# Altium PCB PCB4.PcbDoc
Units mil, origin at the board's own origin, x right, y up, seen from the top; angles counter-clockwise.
Board outline 1992.91 x 1024.13 mil, 2 copper layers (Top Layer, Bottom Layer); 51 components, 34 nets, 201 pads, 44 vias.
Unrouted connection lines stored in the file: 4.
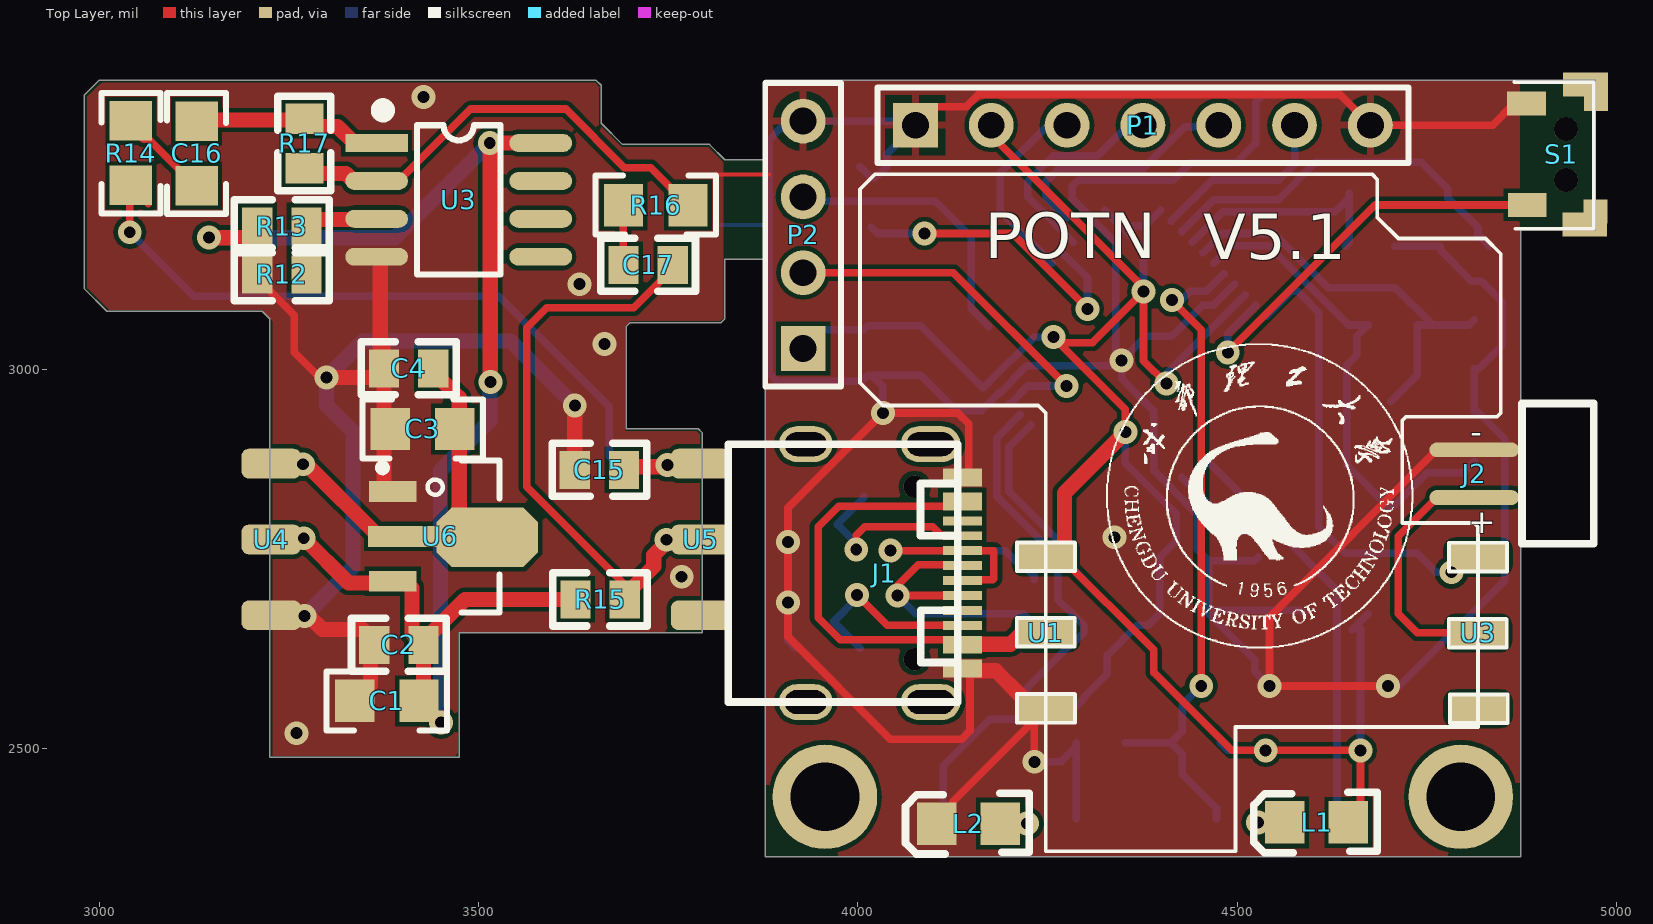
[diagram p0: Top Layer view]
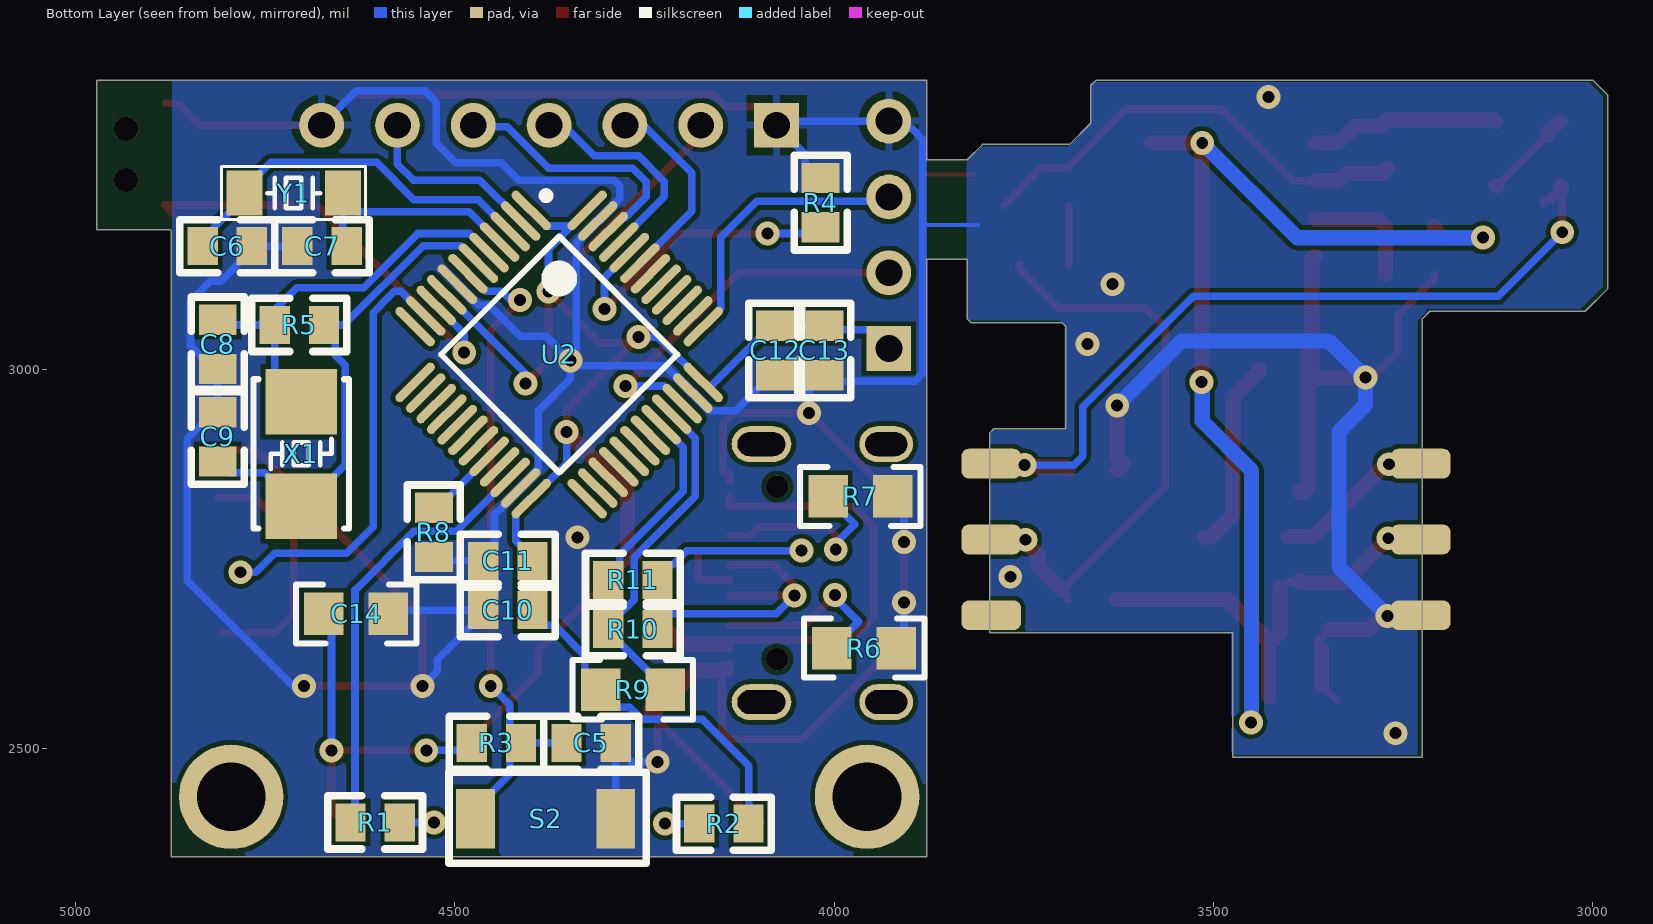
[diagram p1: Bottom Layer view, seen from below]
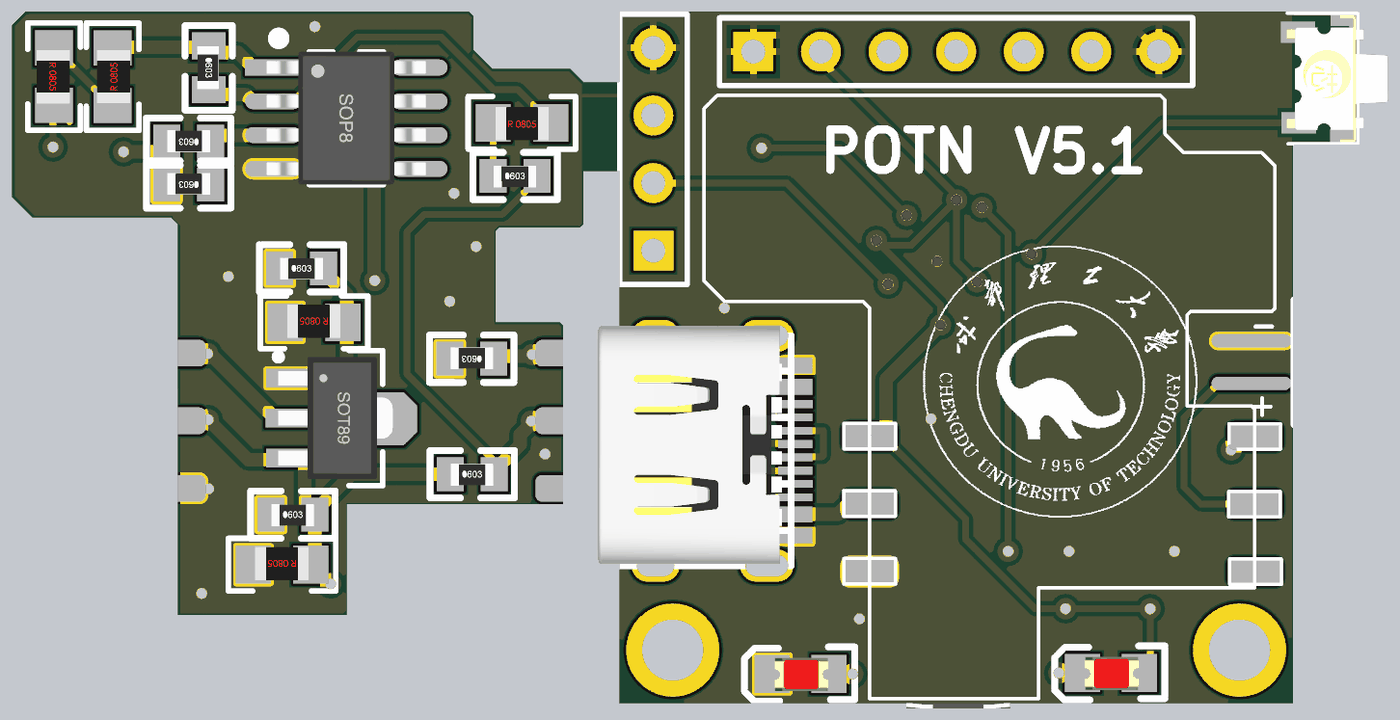
[diagram p2: 3D render of the assembled board from above, using the file's embedded part models]
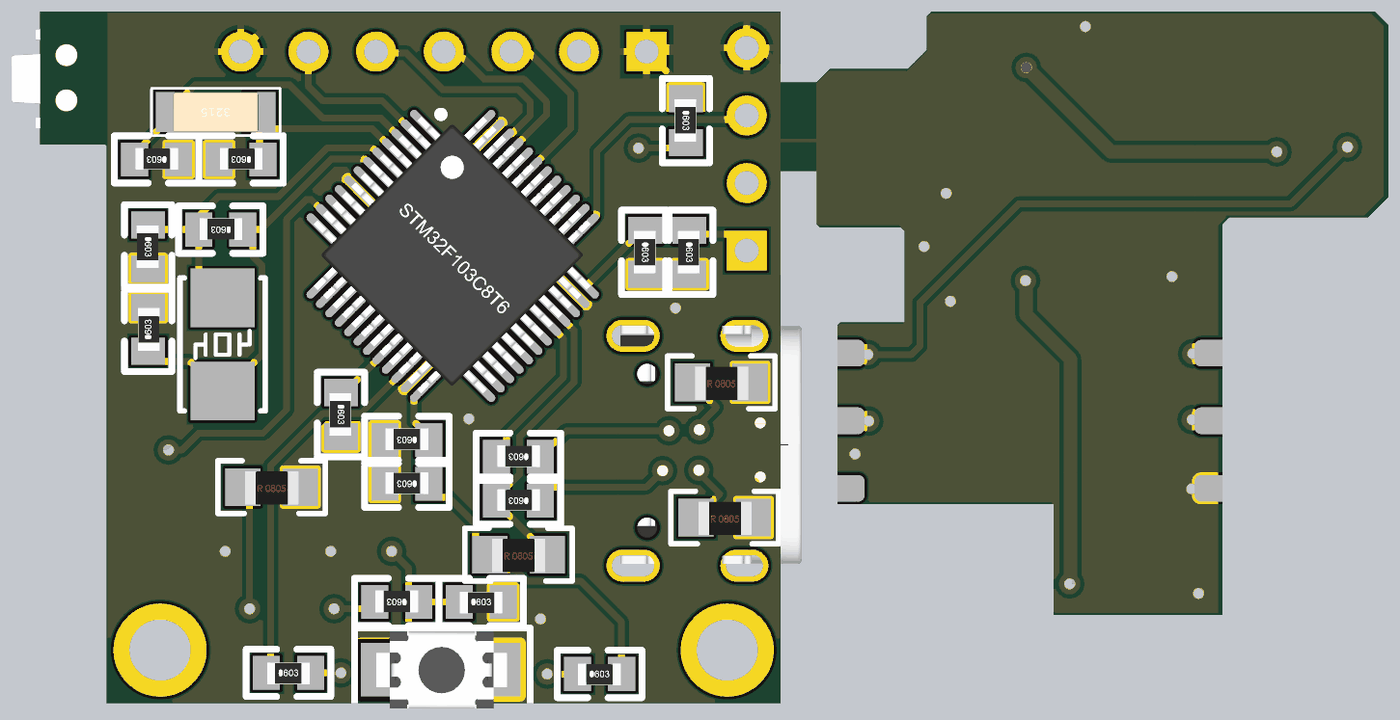
[diagram p3: 3D render of the assembled board from below, using the file's embedded part models]

## Layer stack, top to bottom
Top Solder: solder mask 0.4, Solder Resist, Dk 3.5
Top Layer: signal copper 1.4
Dielectric 1: dielectric 12.6, FR-4, Dk 4.8
Bottom Layer: signal copper 1.4
Bottom Solder: solder mask 0.4, Solder Resist, Dk 3.5

## Board outline
3224.64,2488.07 3332.68,2488.07 3332.9,2488.29 3474.42,2488.29 3474.42,2652.29 3794.42,2652.29 3794.42,2916.29 3789.42,2921.29 3694.42,2921.29 3694.42,3056.29 3699.42,3061.29 3819.42,3061.29 3824.42,3066.29 3824.42,3145 3878.11,3145 3877.56,3144.45 3877.83,3144.17 3877.83,2357.17 4873.9,2357.17 4873.9,3182.24 4875.59,3183.94 4972.32,3183.94 4972.32,3380.79 3877.83,3380.79 3877.83,3276.3 3877.83,3276.29 3824.42,3276.29 3804.42,3296.29 3689.42,3296.29 3661.42,3324.29 3661.42,3374.29 3654.42,3381.29 2999.42,3381.29 2979.42,3361.29 2979.42,3106.29 3009.42,3076.29 3214.42,3076.29 3224.42,3066.29 3224.42,2876.29

## Design rules (kind name [scope] priority, off if disabled: settings)
Clearance [All] p1: gap=6 ignorepadtopadclearanceinfootprint=TRUE
PolygonConnect [All] p1: thpad.connectstyle=Relief thpad.reliefconductorwidth=10 thpad.reliefentries=4 thpad.polygonreliefangle="90 Angle" thpad.airgapwidth=10 smdpad.connectstyle=Direct smdpad.reliefconductorwidth=10 smdpad.reliefentries=4 smdpad.polygonreliefangle="90 Angle" smdpad.airgapwidth=10 via.connectstyle=Direct via.reliefconductorwidth=10 via.reliefentries=4 via.polygonreliefangle="90 Angle" via.airgapwidth=10
RoutingVias [All] p1: holewidth=28 width=50 viastyle="Through Hole" minholewidth=28 minwidth=50 maxholewidth=28 maxwidth=50
SolderMaskExpansion [All] p1: expansion=4
Width [All] p1: maxlimit=100 minlimit=10 preferedwidth=10
30 further rules are at their usual default settings.

## Components (designator, comment, footprint, x,y, rotation, side; value= is the part's Value field where it differs from the comment)
C1 "10uF" RC0805 3421.18,2562.41 r180 top
C2 "104" RC0603 3362.13,2636.43 r0 top
C3 "10uF" RC0805 3468.43,2921.07 r180 top
C4 "104" RC0603 3375.08,3000.99 r0 top
C5 "104" RC0603 4352.83,2507.17 r180 bottom
C6 "15P" RC0603 4767.83,3162.17 r0 bottom
C7 "15P" RC0603 4642.83,3162.17 r0 bottom
C8 "22P" RC0603 4812.83,3065.15 r270 bottom
C9 "22P" RC0603 4812.83,2878.27 r90 bottom
C10 "104" RC0603 4397.83,2682.17 r0 bottom
C11 "104" RC0603 4397.83,2747.17 r0 bottom
C12 "104" RC0603 4077.83,3057.17 r270 bottom
C13 "104" RC0603 4012.83,3057.17 r270 bottom
C14 "106" RC0805 4672.83,2677.17 r180 bottom
C15 "104" RC0603 3691.65,2867.13 r180 top
C16 "4.7uf" RC0805 3127.87,3241.94 r90 top
C17 "104" RC0603 3690.83,3137.61 r0 top
J1 "TYPE-C-31-M-12" USB-TYPE-C_16PIN-MALE-TYPE-C-31-M-12 4034.56,2731.07 r270 top
J2 "MIC" MIC4.5*2.2MMTIE 4812.83,2862.17 r0 top
L1 "1" LED0805 4646.83,2402.17 r0 top
L2 "1" LED0805 4187.83,2400.6 r0 top
P1 "Header 7" HDR1X7 4075.87,3321.73 r0 top
P2 "Header 4" HDR1X4 3927.83,3027.17 r90 top
R1 "510" RC0603 4637.83,2402.17 r180 bottom
R2 "510" RC0603 4177.83,2400.6 r180 bottom
R3 "10K" RC0603 4412.83,2507.17 r0 bottom
R4 "10K" RC0603 4017.83,3252.17 r270 bottom
R5 "1M" RC0603 4672.83,3058.27 r0 bottom
R6 "5.1K" RC0805 4002.83,2632.17 r180 bottom
R7 "5.1K" RC0805 4007.83,2832.17 r180 bottom
R8 "10K" RC0603 4527.83,2817.17 r270 bottom
R9 "1.5K" RC0805 4307.83,2577.17 r180 bottom
R10 "22R" RC0603 4232.83,2657.17 r0 bottom
R11 "22R" RC0603 4232.83,2722.17 r0 bottom
R12 "10K" RC0603 3272.8,3125.01 r180 top
R13 "10K" RC0603 3272.8,3188.39 r180 top
R14 "300" RC0805 3041.26,3327.37 r270 top
R15 "10K" RC0603 3627.48,2696.27 r0 top
R16 "1K" RC0805 3690.91,3216.35 r0 top
R17 "50K" RC0603 3270,3330.13 r270 top
S1 "switch_wo" SW-SMD-4X2X2侧 4933.94,3281.3 r270 top
S2 "SW-PB" SMT-KEY 4472.91,2407.17 r270 bottom
U1 "BOARD1" BOARD1DAN 4248.23,2611.61 r0 top
U2 "STM32F103C8T6" LQFP48 4399.45,3209.33 r315 bottom
U3 "BOARD2" BOARD2-DAN 4374.92,2609.65 r0 top
U3 "LM358" SOP8_M 3473.54,3223.24 r0 top
U4 "BOARD1" BOARD1 3226.69,2734.85 r0 top
U5 "BOARD2" BOARD2 3349.92,2732.88 r0 top
U6 "AMS1117-3.3" SOT89_M 3467.5,2779.34 r270 top
X1 "8M" "OSC 5032-2P" 4702.83,2888.27 r270 bottom
Y1 "32.768K" "OSC 3215-2P" 4712.83,3232.17 r0 bottom

## Footprints (in the part's own frame and the unit in brackets; to place one, negate y for a bottom-side part, rotate by r counter-clockwise, add the part's x,y. Pads: shape width x height; smd on the part's side, far side on the other; paste and mask are expansions set on the pad)
BOARD1 [mm]
  rrect50% 2x1 smd: 1(-0.01,3.57) 2(-0.01,1.03) 3(-0.01,-1.51)
  rrect50% 2x1 smd far side: 1(-0.01,3.57) 2(-0.01,1.03) 3(-0.01,-1.51)
BOARD1DAN [mm]
  rrect50% 2x1 smd: 1(-0.01,3.57) 2(-0.01,1.03) 3(-0.01,-1.51)
BOARD2 [mm]
  rrect50% 2x1 smd: 4(11.25,-1.46) 5(11.25,1.08) 6(11.25,3.62)
  rrect50% 2x1 smd far side: 4(11.25,-1.46) 5(11.25,1.08) 6(11.25,3.62)
BOARD2-DAN [mm]
  rrect50% 2x1 smd: 4(11.25,-1.46) 5(11.25,1.08) 6(11.25,3.62)
HDR1X4 [mm] "Connector; Header; 4 Position"
  rect 1.5x1.5 hole 0.9: 1(0,0)
  round 1.5 hole 0.9: 2(2.54,0) 3(5.08,0) 4(7.62,0)
  silkscreen extent -1.27,-1.27 8.89,1.27
HDR1X7 [mm] "Connector; Header; 7 Position"
  rect 1.5x1.5 hole 0.9: 1(0,0)
  round 1.5 hole 0.9: 2(2.54,0) 3(5.08,0) 4(7.62,0) 5(10.16,0) 6(12.7,0) 7(15.24,0)
  silkscreen extent -1.27,-1.27 16.51,1.27
LED0805 [mil]
  rect 52x56 smd: 1(0,0) 2(-84,0)
  Top Layer lines w20: -86,2 -84,0
  silkscreen extent -125,-40 38,40, body extent -81,-25 -1,24, height 43
LQFP48 [mm]
  oval 0.3x1.75 smd: 1(0,0) 2(0.5,0) 3(1,0) 4(1.5,0) 5(2,0) 6(2.5,0) 7(3,0) 8(3.5,0) 9(4,0) 10(4.5,0) 11(5,0) 12(5.5,0) 25(5.5,8.15) 26(5,8.15) 27(4.5,8.15) 28(4,8.15) 29(3.5,8.15) 30(3,8.15) 31(2.5,8.15) 32(2,8.15) 33(1.5,8.15) 34(1,8.15) 35(0.5,8.15) 36(0,8.15)
  oval 1.75x0.3 smd: 13(6.825,1.325) 14(6.825,1.825) 15(6.825,2.325) 16(6.825,2.825) 17(6.825,3.325) 18(6.825,3.825) 19(6.825,4.325) 20(6.825,4.825) 21(6.825,5.325) 22(6.825,5.825) 23(6.825,6.325) 24(6.825,6.825) 37(-1.325,6.825) 38(-1.325,6.325) 39(-1.325,5.825) 40(-1.325,5.325) 41(-1.325,4.825) 42(-1.325,4.325) 43(-1.325,3.825) 44(-1.325,3.325) 45(-1.325,2.825) 46(-1.325,2.325) 47(-1.325,1.825) 48(-1.325,1.325)
  silkscreen extent -0.82,-0.12 5.55,6.88, body extent -1.76,-0.46 7.24,8.54, height 6.78
MIC4.5*2.2MMTIE [mm]
  oval 3x0.5 smd: 1(0,-0.8) 2(0,0.8)
  silkscreen extent 1.6,-2.35 4,2.35, body extent 1.53,-2.42 3.93,2.38, height 3.3
"OSC 3215-2P" [mm] "3.2*1.5*0.6mm(长宽高)"
  rect 1.2x1.5 smd: 1(1.65,0) 2(-1.65,0)
  silkscreen extent -2.41,-0.89 2.41,0.89, body extent -1.6,-0.75 1.6,0.75, height 0.61
"OSC 5032-2P" [mm] "5mm*3.2mm*0.8mm(长*宽*高)"
  rect 2.2x2.4 smd: 1(-1.75,0) 2(1.75,0)
  silkscreen extent -2.5,-1.6 2.5,1.6, body extent -2.5,-1.6 2.5,1.6, height 1.56
RC0603 [mil]
  rect 40x50 smd: 1(0,0) 2(65,0)
  silkscreen extent -30,-35 95,35, body extent 1,-17 64,15, height 18
RC0805 [mil]
  rect 52x56 smd: 1(0,0) 2(85,0)
  silkscreen extent -37,-39 122,39, body extent 4,-26 82,23, height 16
SMT-KEY [mm]
  rect 2x1.3 smd paste+0 mask+0.2: 1(0,0) 2(0,4.7)
  silkscreen extent -1.56,-0.89 1.5,5.72, body extent -1.43,-0.06 1.47,4.84, height 2
SOP8_M [mm] "5*6*1.8mm（长宽高）"
  rect 2.1x0.6 smd: 1(-2.75,1.905)
  oval 2.1x0.6 smd: 2(-2.75,0.635) 3(-2.75,-0.635) 4(-2.75,-1.905) 5(2.75,-1.905) 6(2.75,-0.635) 7(2.75,0.635) 8(2.75,1.905)
  silkscreen extent -2.69,-2.5 1.4,3.15, body extent -3,-2.5 3,2.5, height 1.9
SOT89_M [mm] "4.6x4.3x1.6mm(长宽高)"
  rect 0.7x1.6 smd: 1(-1.5,-2.054) 3(1.5,-2.054)
  rect 0.7x2.4 smd: 2(0,-1.676)
  oct 2x3.4 smd: 2(0.025,1.118)
  silkscreen extent -2.54,-2.52 2.54,1.52, body extent -2.3,-2.4 2.3,1.9, height 1.6
SW-SMD-4X2X2侧 [mm] "TS-018/TS-A002 /THAM04"
  rect 0.8x1.3 smd mask+0: 1(1.646,-1.301) 2(-1.758,-1.327)
  rect 0.8x0.8 smd mask+0: 3(1.862,0.985) 4(-1.91,0.997)
  rect 0.8x1.5 smd mask+0: 3(2.293,0.629) 4(-2.393,0.654)
  round 0.8 hole 0.8 mask+0: 7(-0.893,-0.006) 8(0.807,-0.006)
  silkscreen extent -2.47,-1.73 2.44,0.93, body extent -2.38,-1.75 2.37,2.05, height 1.8
USB-TYPE-C_16PIN-MALE-TYPE-C-31-M-12 [mm]
  oval 1.2x2 hole 0.8 slot 1.6 at 90 deg: 0(-4.32,1.556) 0(4.32,1.556)
  oval 1.2x1.8 hole 0.8 slot 1.4 at 90 deg: 0(-4.32,-2.624) 0(4.32,-2.624)
  rect 0.3x1.3 smd: A1(-3.35,2.623) A4(-2.55,2.623) A5(-1.25,2.623) A6(-0.25,2.623) A7(0.25,2.623) A8(1.25,2.624) A9(2.55,2.623) A12(3.35,2.623) B1(3.05,2.623) B4(2.25,2.623) B5(1.75,2.623) B6(0.75,2.623) B7(-0.75,2.623) B8(-1.75,2.624) B9(-2.25,2.623) B12(-3.05,2.623)
  round 0.75 hole 0.75 unplated: ""(-2.89,1.026) ""(2.89,1.026)
  silkscreen extent -4.32,-5.23 4.32,2.47, body extent -4.69,-4.77 4.25,2.13, height 3.28

## Part data
C1 C3: library part Cap2, "Capacitor", PackageDescription="Capacitor; 2 Leads", PackageReference=CAPR5-4X5, Published=23-Sep-2002, Publisher="Altium Limited"
C2 C4 C5 C6 C7 C8 C9 C10 C11 C12 C13 C14 C15 C16 C17: library part Cap, "Capacitor", LatestRevisionDate=17-Jul-2002, LatestRevisionNote="Re-released for DXP Platform.", PackageDescription="Radial Cap, Thru-Hole; 2 Leads; 0.3 in Pin Spacing", PackageReference=RAD-0.3, Published=8-Jun-2000, Publisher="Altium Limited"
J2: "咪头"
L1 L2: library part LED
P1: "Header, 7-Pin", LatestRevisionDate=17-Jul-2002, LatestRevisionNote="Re-released for DXP Platform.", Publisher="Altium Limited"
P2: "Header, 4-Pin", LatestRevisionDate=17-Jul-2002, LatestRevisionNote="Re-released for DXP Platform.", Publisher="Altium Limited"
R1 R2 R3 R4 R5 R6 R7 R8 R9 R10 R11 R12 R13 R14 R15 R16 R17: library part Res2, "Resistor", LatestRevisionDate=17-Jul-2002, LatestRevisionNote="Re-released for DXP Platform.", PackageDescription="Axial Device, Thru-Hole; 2 Leads; 0.4 in Pin Spacing", PackageReference=AXIAL-0.4, Published=8-Jun-2000, Publisher="Altium Limited"
S1: "卧式开关"
S2: "Switch", LatestRevisionDate=17-Jul-2002, LatestRevisionNote="Re-released for DXP Platform.", PackageDescription="Switch; 2 Leads", PackageReference=SPST-2, Published=24-Mar-1999, Publisher="Altium Limited"
U2: "STM32"
U3: "音频放大"
U6: "5V稳3.3V"
X1 Y1: library part Y1, "晶振"

## Free pads (board coordinates)
  round 137.8 hole 90.55: 50(3956.57,2435.91) 51(4795.16,2435.91)

## Via types
v1: diameter 31.5, hole 15.75, Top Layer to Bottom Layer, tented both sides, 44 vias

## Nets (pads, with @x,y where several pads share a name; then routed paths per layer and width w, separated by ;. In a path a pad name is that pad's centre, name@x,y a point inside that pad or via, vN(x,y) a via of type N, cw(c..) or ccw(c..) an arc to the next point about the centre after c; other vN are vias at no path point)
3V3: C3.1 C4.2 C10.1 C11.1 C12.1 C13.1 C14.1 L1.1 P1.2 P2.1 R2.2 R3.2 R9.1 U1.1 U2.1 U2.9 U2.24 U2.36 U2.48 U4.1 U6.2 | length 3766.2
  Top Layer w10: P2.1 P2.1@3931.82,3031.15 ; P1.2 4175.87,3308.77 4376.65,3107.98 v1(4376.65,3102.17) ; v1(4257.83,3042.17) v1@4265.09,3034.91 ; U1.1@4272.36,2766.48 4258.05,2752.17 4267.52,2752.17 4390.02,2629.66 4390.02,2599.97 4492.83,2497.17 v1(4537.83,2497.17) v1(4662.83,2497.17) 4662.83,2418.17 L1.1 ; v1(4352.83,2917.17) 4352.83,2947.17 v1@4265.09,3034.91 ; v1(4406.91,2980.93) 4406.6,2980.93 4406.6,2981.24 4376.65,3011.19 v1(4376.65,3102.17) ; v1@4265.09,3034.91 4309.4,3034.91 v1(4376.65,3102.17)
  Top Layer w20: v1(3268.43,2874.61) 3270.62,2872.41 3274.96,2872.41 3368.03,2779.34 U6.2@3401.5,2779.34 ; C4.2 3440.08,2995.99 3473.66,2962.41 3474.25,2962.41 3474.25,2807.71 3503.62,2778.34 U6.2@3511.5,2778.34 ; U1.1@4272.36,2766.48 4272.36,2836.69 v1(4352.83,2917.17)
  Bottom Layer w10: P2.1 3952.36,3051.69 4007.36,3051.69 C13.1 C12.1 4082.83,3057.17 4164.47,2975.53 4165.65,2975.53 U2.36 4232.28,3042.17 v1(4257.83,3042.17) ; R2.2 4112.83,2477.17 4173.83,2538.17 4253.39,2538.17 4269.39,2554.17 4286.83,2554.17 4297.83,2565.17 4297.83,2567.17 R9.1 4328.83,2598.17 4328.83,2622.34 4368.66,2662.17 4382.83,2662.17 4397.83,2677.17 C10.1 C11.1 4397.83,2752.17 4419.63,2773.96 4419.63,2809.14 U2.24 4352.83,2875.94 v1(4352.83,2917.17) ; U2.48 U2.48@4346.2,3188.8 ; v1(4376.65,3102.17) 4376.65,3158.35 U2.48@4346.2,3188.8 ; U2.1 4378.92,3188.8 4362.76,3188.8 U2.48@4346.2,3188.8 ; v1(4406.91,2980.93) 4400.34,2987.51 U2.9 ; R3.2 4487.84,2497.17 v1(4537.83,2497.17) ; C14.1@4651.83,2656.17 C14.1@4657.83,2662.17 ; v1(4662.83,2497.17) 4662.83,2657.17 C14.1@4657.83,2662.17 ; C14.1 C14.1@4657.83,2662.17
5V: C1.1 C2.2 J1.A4 J1.A9 J1.B4 J1.B9 R13.2 R15.1 U1.2 U3.8 U4.2 U6.3 | length 2579.7
  Top Layer w10: U6.3 3403.35,2720.28 U6.3@3412.13,2711.5 ; C2.2@3412.13,2651.43 3420.81,2642.74 C2.2 ; C1.1 C1.1@3427.13,2568.35 ; J1.A4 J1.B9 4137.27,2819.08 3974.75,2819.08 3947.83,2792.17 3947.83,2672.17 3976.95,2643.05 4137.28,2643.05 J1.B4 J1.A9 J1.B4@4144.34,2637.17 ; U1.2@4216.45,2652.17 U1.2
  Top Layer w20: v1(3144.05,3173.39) 3197.8,3173.39 3207.8,3183.39 R13.2 ; v1(3269.21,2776.98) 3328.27,2717.92 3384.26,2717.92 U6.3 ; C2.2@3412.13,2651.43 U6.3@3412.13,2711.5 ; C2.2@3420.81,2642.74 3428.44,2642.74 3481.97,2696.27 R15.1 ; C1.1@3427.13,2568.35 C2.2 ; v1(3515.67,2982.88) 3515.08,2983.47 3515.08,3297.65 v1(3514.49,3298.24) U3.8 ; J1.B4@4144.34,2637.17 4201.45,2637.17 U1.2@4216.45,2652.17
  Bottom Layer w20: v1(3144.05,3173.39) 3389.65,3173.39 v1(3514.49,3298.24) ; v1(3450.31,2534.06) 3449.33,2535.05 3449.33,2866.54 3514.49,2931.7 3514.49,2981.7 v1(3515.67,2982.88)
BOOT0: R4.2 U2.44 | length 417.5
  Top Layer w10: v1(4087.83,3178.9) 4203.32,3178.9 v1(4302.83,3079.38)
  Bottom Layer w10: R4.2 4026.1,3178.9 v1(4087.83,3178.9) ; U2.44 4269.99,3153.16 4302.83,3120.32 v1(4302.83,3079.38)
GND: C1.2 C2.1 C3.2 C4.1 C5.2 C6.1 C7.2 C8.2 C9.2 C10.2 C11.2 C12.2 C13.2 C14.2 C15.2 J1.A1 J1.A12 J1.B1 J1.B12 J2.2 L2.2 P1.1 P1.7 P2.4 R4.1 R6.2 R7.2 R8.2 R12.2 S1.2 S2.2 U1.3 U2.8 U2.23 U2.35 U2.47 U3.4@3365.28,3148.24 U4.3 U6.1 | length 8442.9
  Top Layer w10: R12.2 3207.8,3120.01 3256.61,3071.19 3256.61,3022.25 3290.08,2988.79 v1(3299.13,2988.79) ; v1(3270,2674.61) v1@3275.82,2674.61 ; C1.2 C1.2@3357.18,2583.41 ; C2.1@3347.13,2656.43 3362.13,2641.43 C2.1 C2.1@3357.18,2631.48 ; P1.1 4100.39,3346.26 4143.08,3346.26 4159.08,3362.26 4635.34,3362.26 P1.7 4836.97,3321.73 S1.2@4863.86,3348.62 ; L2.2 4124.83,2421.6 4124.83,2429.17 4230.77,2535.1 U1.3@4230.77,2552.17 ; J1.B12 J1.A1 4145.28,2862.96 4146.18,2863.86 4146.18,2927.96 4131.98,2942.17 v1(4033.04,2942.17) 3907.83,2816.96 v1(3907.83,2772.17) 3917.83,2772.17 3907.83,2762.17 3907.83,2702.17 3917.83,2692.17 v1(3907.83,2692.17) 3907.83,2647.17 4042.83,2512.17 4136.98,2512.17 4147.83,2523.02 4147.83,2602.17 4147.83,2609.18 J1.A12 J1.B1 J1.B1@4138.74,2610.08 ; U1.3@4216.45,2567.61 4216.45,2566.48 U1.3@4230.77,2552.17 ; v1(4232.83,2482.17) 4232.83,2537.85 U1.3@4247.15,2552.17 ; U1.3@4243.57,2547.9 U1.3@4247.83,2543.63 ; U1.3 U1.3@4247.15,2552.17 ; v1(4698.9,2582.17) v1(4542.83,2582.17) 4542.83,2672.87 4763.62,2893.66 J2.2 ; S1.2@4871.85,3350.51 S1.2 ; U1.3@4230.77,2552.17 U1.3@4247.15,2552.17
  Top Layer w20: v1@3275.82,2674.61 3294.01,2656.43 C2.1@3347.13,2656.43 ; v1(3299.13,2988.79) C4.1@3367.87,2988.79 ; C1.2@3357.18,2583.41 C2.1@3357.18,2631.48 ; C4.1@3365.08,2985.99 C4.1@3367.87,2988.79 ; U3.4@3365.28,3148.24 3368.5,3148.24 3370.18,3146.56 3370.18,2991.09 C4.1@3367.87,2988.79 ; C4.1@3370.18,2988.79 C4.1@3367.87,2988.79 ; C4.1@3375.08,3024.97 C4.1 3375.08,2842.17 3378.86,2838.39 U6.1 ; C15.2 3618.43,2875.36 3619.88,2875.36 3626.65,2882.13 v1(3626.65,2952.21) ; J1.A12@4147.83,2602.17 4181.9,2602.17 U1.3@4216.45,2567.61
  Bottom Layer w10: v1(3907.83,2692.17) 3907.83,2642.17 R6.2 ; v1(3907.83,2772.17) 3907.83,2817.17 R7.2 ; R4.1@4002.83,3267.17 R4.1 4022.83,3252.17 4037.83,3267.17 4037.83,3283.7 P1.1 4070.43,3327.17 P2.4 3918.45,3317.78 3897.92,3317.78 3882.83,3302.69 3882.83,2994.38 3893.16,2984.05 4004.72,2984.05 C13.2 C13.2@4017.83,2992.17 ; v1(4033.04,2942.17) 4032.83,2942.37 4032.83,2977.17 C13.2@4017.83,2992.17 ; v1(4232.83,2482.17) 4267.83,2482.17 4287.83,2502.17 C5.2 ; S2.2 C5.2@4287.87,2507.13 ; U2.8 4496.39,3111.89 4468.55,3084.05 4454.93,3084.05 4414.15,3043.27 4379.91,3043.27 v1(4347.83,3011.19) 4347.83,3005.57 4347.83,2987.17 4390.19,2944.81 4390.19,2866.91 4413.36,2843.74 4413.36,2842.76 4447.83,2808.29 4447.83,2762.17 C11.2 ; R8.2 4522.83,2747.17 C11.2 ; v1(4542.83,2582.17) 4523.46,2601.54 4523.46,2616.54 4462.83,2677.17 C10.2 ; C14.2 4582.83,2682.17 C10.2 ; P1.7 4630.43,3367.17 4539.72,3367.17 4524.72,3352.17 4524.72,3297.62 4499.27,3272.17 4438.8,3272.17 4415.83,3249.2 4289.97,3249.2 4282.83,3242.07 4282.83,3224.82 4311.75,3195.9 U2.47 4311.75,3194.92 4339.83,3166.84 4339.83,3004.52 4222.97,3004.52 4186.97,2968.52 U2.35 4185.99,2968.52 4162.82,2945.35 4129.65,2945.35 4082.83,2992.17 C12.2 C13.2@4017.83,2992.17 ; v1(4698.9,2582.17) 4698.9,2575.1 4702.83,2571.17 4852.83,2721.17 4852.83,2908.27 4817.83,2943.27 C9.2 C8.2 4817.83,3000.15 4848.83,3031.15 4848.83,3089.71 4822.61,3115.94 4809.06,3115.94 4767.83,3157.17 C6.1 C7.2 ; C5.2 C5.2@4287.87,2507.13 ; C10.2 C11.2
  Bottom Layer w20: v1(3270,2674.61) 3334.17,2738.79 3334.17,2917.53 3299.13,2952.57 v1(3299.13,2988.79) 3347.56,3037.21 3541.65,3037.21 v1(3626.65,2952.21)
  other v1: 3259.76,2519.89 3767.64,2726.19 4338.66,2778.24 3665.67,3033.28 3632.99,3112.02 3427.09,3358.87
MIC+: C17.2 R15.2 U5.5 | length 723.9
  Top Layer w10: R15.2 R15.2@3692.48,2701.27 ; R15.2@3699.61,2708.39 3593.42,2814.58 3563.31,2844.69 3563.31,3054.54 3589.68,3080.91 3704.13,3080.91 3755.83,3132.61 C17.2
  Top Layer w20: R15.2@3699.61,2708.39 3730.76,2739.55 3730.76,2755.1 3747.56,2771.9 v1(3747.56,2775.01)
NetC6_2: C6.2 U2.3 Y1.1 | length 501.3
  Bottom Layer w10: U2.3 4469.43,3223.64 4554.31,3223.64 4603.36,3272.69 4743.17,3272.69 4777.8,3238.07 Y1.1 4777.8,3226.26 4817.83,3186.22 4817.83,3177.17 C6.2
NetC7_1: C7.1 U2.4 Y1.2 | length 303.1
  Bottom Layer w10: U2.4 4481.27,3207.64 4629.25,3207.64 Y1.2@4647.87,3226.26 ; C7.1 4647.87,3167.2 Y1.2@4647.87,3226.26 ; Y1.2 Y1.2@4647.87,3226.26
NetC8_1: C8.1 R5.2 U2.5 X1.1 | length 556.6
  Bottom Layer w10: U2.5 4455.61,3153.65 4480.86,3178.9 4548.73,3178.9 4620.46,3107.17 4708.94,3107.17 R5.2@4757.83,3058.27 ; X1.1 4737.83,2992.17 R5.2 R5.2@4757.83,3058.27 ; C8.1 4805.95,3058.27 R5.2@4757.83,3058.27
NetC9_1: C9.1 R5.1 U2.6 X1.2 | length 668.2
  Bottom Layer w10: U2.6 4469.53,3139.73 4492.7,3162.9 4542.1,3162.9 4646.73,3058.27 R5.1 4657.83,3043.27 4657.83,3018.27 4644.59,3005.03 4644.59,2873.68 4698.9,2819.37 X1.2 4706.77,2819.37 4750.67,2863.27 4797.83,2863.27 C9.1
NetC16_1: C16.1 R14.1 | length 123.7
  Top Layer w10: R14.1@3059.26,3308.55 C16.1@3125.87,3241.94
  Top Layer w20: R14.1 3043.26,3327.37 3059.26,3311.37 R14.1@3059.26,3308.55 ; C16.1@3125.87,3241.94 C16.1
NetC16_2: C16.2 R17.1 U3.1 | length 250.6
  Top Layer w20: C16.2 3129.47,3328.53 3271.59,3328.53 3280,3320.13 3313.86,3320.13 3335.75,3298.24 U3.1
NetC17_1: C17.1 R16.1 | length 78.8
  Top Layer w10: C17.1 3690.83,3216.27 R16.1
NetJ1_A5: J1.A5 R7.1 | length 263.2
  Top Layer w10: v1(3997.83,2762.17) 3997.83,2780.89 4009.11,2792.17 4098.62,2792.17 4110.51,2780.28 J1.A5
  Bottom Layer w10: v1(3997.83,2762.17) 3997.83,2770.17 3972.83,2795.17 4007.83,2830.17 R7.1
NetJ1_B5: J1.B5 R6.1 | length 253
  Top Layer w10: v1(3998.65,2702.17) 4038.65,2662.17 J1.B5
  Bottom Layer w10: v1(3998.65,2702.17) 3998.65,2697.98 3967.83,2667.17 R6.1
NetJ2_1: J2.1 U3.5@4817.83,2652.17 | length 325.9
  Top Layer w10: U3.5@4804.64,2652.17 4737.83,2652.17 4712.83,2677.17 4712.83,2779.88 4763.62,2830.67 J2.1
NetL1_2: L1.2 R1.2 | length 45
  Bottom Layer w10: v1(4527.83,2402.17) R1.2
NetL2_1: L2.1 R2.1 | length 45
  Bottom Layer w10: R2.1 v1(4222.83,2400.6)
NetR8_1: R8.1 U2.20 | length 101.4
  Bottom Layer w10: U2.20@4455.61,2885.01 U2.20 4455.12,2884.88 4522.83,2817.17 R8.1
NetR12_1: R12.1 R13.1 U3.3 | length 159.9
  Top Layer w20: R12.1 R13.1 3281.94,3197.54 3364.58,3197.54 U3.3
NetR16_2: R16.2 R17.2 U3.2 | length 604.7
  Top Layer w10: U3.2 3394.8,3248.24 3489.68,3343.12 3614.49,3343.12 3692.05,3265.56 3726.69,3265.56 R16.2
  Top Layer w20: R17.2 3277.12,3258 3325,3258 3334.77,3248.24 U3.2
NRST: C5.1 R3.1 S2.1 U2.7 | length 880.7
  Top Layer w10: v1(4414.15,3091.05) 4414.15,3090.85 4452.83,3052.17 v1(4452.83,2582.17)
  Bottom Layer w10: C5.1 R3.1 ; v1@4419.63,3087.17 4422.74,3087.17 4438.22,3102.64 4459.3,3102.64 4482.47,3125.81 U2.7 ; v1(4452.83,2582.17) 4427.83,2557.17 4427.83,2522.17 R3.1 ; S2.1 4472.91,2420.95 4427.83,2466.02 4427.83,2492.17 R3.1
PA0: S1.1 U2.10 | length 567.7
  Top Layer w10: v1(4487.83,3022.17) 4682.18,3216.51 S1.1 S1.1@4871.95,3205.76
  Bottom Layer w10: v1(4487.83,3022.17) 4487.83,3046.68 4524.72,3083.56 U2.10
PA1: C15.1 R14.2 U2.11 U3.6@4817.83,2752.17 U5.6 | length 1637.7
  Top Layer w10: v1(3039.68,3180.52) 3039.68,3241.06 3040.47,3241.84 3041.26,3241.06 R14.2@3058.88,3223.43 ; R14.2@3041.26,3234.85 3052.68,3223.43 R14.2@3058.88,3223.43 ; R14.2@3064.26,3218.06 3064.26,3221.37 3060.94,3221.37 R14.2@3058.88,3223.43
  Top Layer w20: R14.2@3041.26,3234.85 3041.26,3241.06 R14.2 ; C15.1 3695.75,2871.23 3746.54,2871.23 v1(3748.74,2873.43)
  Bottom Layer w10: v1(3039.68,3180.52) 3123.94,3096.27 3526.08,3096.27 3671.97,2950.38 3671.97,2885.24 3683.78,2873.43 v1(3748.74,2873.43) ; U2.11 4539.13,3070.13 4571.54,3102.55 4579.83,3102.55 4586.52,3095.85 4607.83,3074.54 4607.83,2792.17 4642.83,2757.17 4737.83,2757.17 4762.83,2732.17 v1(4782.83,2732.17)
PB7: P1.3 U2.43 | length 261.4
  Bottom Layer w10: U2.43 4187.83,3207.97 4187.83,3258.73 4250.84,3321.73 P1.3
PB8: P1.4 U2.45 | length 287.3
  Bottom Layer w10: U2.45 4223.83,3227.65 4223.83,3247.07 4257.97,3281.2 4316.39,3281.2 4347.54,3312.35 4366.48,3312.35 P1.4
PB9: P1.5 U2.46 | length 317.7
  Bottom Layer w10: U2.46@4275.53,3199.86 4247.83,3227.56 4247.83,3247.17 4265.87,3265.2 4376.65,3265.2 4431.34,3319.89 4474.02,3319.89 P1.5
PB11: R1.1 U2.22 | length 575.1
  Bottom Layer w10: U2.22 4498.28,2786.17 4554.39,2786.17 4631.83,2708.72 4631.83,2408.17 R1.1
PC13: P1.6 U2.2 | length 244.9
  Bottom Layer w10: U2.2 4467.16,3249.2 4554.69,3249.2 4575.87,3270.38 P1.6
SWCLK: P2.3 U2.37 | length 371
  Bottom Layer w10: P2.3 3933.83,3221.17 4102.3,3221.17 4149.39,3174.08 4149.39,3079.38 U2.37
SWDIO: P2.2 U2.34 | length 520.7
  Top Layer w10: P2.2 4125.83,3127.17 v1(4275.23,2977.77)
  Bottom Layer w10: P2.2@3918.45,3117.78 P2.2 P2.2@3941.11,3127.17 ; U2.34@4199.91,2954.6 U2.34 4200.89,2954.6 4224.06,2977.77 v1(4275.23,2977.77)
TPYC3_DN: J1.A7 J1.B7 R11.1 | length 424.9
  Top Layer w10: v1(4042.83,2760.6) J1.B7 4179.4,2760.6 4179.4,2723.74 4177.8,2722.13 4138.74,2722.13 J1.A7
  Bottom Layer w10: v1(4042.83,2760.6) 4194.4,2760.6 4212.83,2742.17 4217.83,2742.17 4232.83,2727.17 R11.1
TPYC3_DP: J1.A6 J1.B6 R10.1 | length 397.8
  Top Layer w10: J1.B6 v1(4052.2,2701.54) 4052.2,2714.43 4079.59,2741.81 4136.93,2741.81 J1.A6
  Bottom Layer w10: v1(4052.2,2701.54) 4076.57,2677.17 4217.83,2677.17 4232.83,2662.17 R10.1
USBDM: R11.2 U2.32 | length 257.7
  Bottom Layer w10: U2.32 4228.24,2926.27 4198.99,2897.02 4198.99,2839.2 4282.83,2755.35 4282.83,2737.17 R11.2
USBDP: R9.2 R10.2 U2.33 | length 456.6
  Bottom Layer w10: U2.33 4214.32,2940.19 4182.99,2908.86 4182.99,2832.57 4263.83,2751.72 4263.83,2695.61 4273.28,2686.17 4273.83,2686.17 4297.83,2662.17 R10.2 4297.83,2652.17 4282.83,2637.17 4280.83,2637.17 4222.83,2579.17 R9.2
pads on no net: J1. J1.0 J1.A8 J1.B8 S1.3 S1.4 S1.7 S1.8 U2.12 U2.13 U2.14 U2.15 U2.16 U2.17 U2.18 U2.19 U2.21 U2.25 U2.26 U2.27 U2.28 U2.29 U2.30 U2.31 U2.38 U2.39 U2.40 U2.41 U2.42 U3.4@4817.83,2552.17 U3.5@3581.81,3148.24 U3.6@3581.81,3198.24 U3.7 U5.4
copper on no net: | length 141.4
  Top Layer w5: 3814.48,3256.51 3883.03,3256.51
  Bottom Layer w5: 3810,3190 3882.83,3190

## Polygon pours and split planes (outlines as drawn)
GND on Top Layer "GND_L01_P002" (solid, remove dead copper, pour order 2): 3878.03,2357.68 4872.91,2357.68 4873.31,2358.07 4872.91,2358.46 4872.91,3380.12 3878.03,3380.12
GND on Top Layer "GND_L01_P000" (solid, remove dead copper, pour order 0): 3003.15,3376.65 3000.79,3376.65 2983.46,3359.33 2983.46,3106.97 2984.25,3106.97 3012.6,3078.62 3216.54,3078.62 3216.54,3075.08 3228.35,3063.27 3228.35,2490.43 3472.05,2490.43 3473.23,2491.61 3473.23,2653.82 3790.94,2653.82 3791.73,2654.61 3791.73,2914.06 3787.4,2918.39 3692.91,2918.39 3692.91,3057.36 3699.61,3064.06 3818.11,3064.06 3819.29,3062.87 3822.44,3066.02 3822.44,3273.11 3803.54,3292.01 3803.54,3292.8 3690.16,3292.8 3689.37,3292.01 3659.45,3321.93 3658.27,3321.93 3658.27,3369.57 3659.84,3371.14 3653.54,3377.44 3001.18,3377.44
GND on Bottom Layer "GND_L02_P006" (solid, remove dead copper, pour order 6): 3878.43,2358.07 4872.91,2358.07 4872.91,3379.72 3878.43,3379.72
GND on Bottom Layer "GND_L02_P004" (solid, remove dead copper, pour order 4): 3005.91,3377.38 3003.54,3377.38 2986.22,3360.05 2986.22,3107.69 2987.01,3107.69 3015.35,3079.34 3219.29,3079.34 3219.29,3075.8 3231.1,3063.99 3231.1,2491.15 3474.8,2491.15 3475.98,2492.34 3475.98,2654.54 3793.7,2654.54 3794.49,2655.33 3794.49,2914.78 3790.16,2919.11 3695.67,2919.11 3695.67,3058.08 3702.36,3064.78 3820.87,3064.78 3822.05,3063.6 3825.2,3066.75 3825.2,3273.83 3806.3,3292.73 3806.3,3293.52 3692.91,3293.52 3692.13,3292.73 3662.2,3322.65 3661.02,3322.65 3661.02,3370.29 3662.6,3371.86 3656.3,3378.16 3003.94,3378.16

## Silkscreen, mask and mechanical layers (free items; w line width, h text height)
Top Overlay:
  drawing of 3088 lines, arcs and shapes, not listed
  text "POTN" at 4167.4,3146.26 h60
  text "V5.1" at 4455.2,3145.08 h60
Mechanical 1:
  lines w5: 3224.42,2488.29 3224.42,2876.29 3224.42,3066.29 3214.42,3076.29 3009.42,3076.29 2979.42,3106.29 2979.42,3361.29 2999.42,3381.29 3654.42,3381.29 3661.42,3374.29 3661.42,3324.29 3689.42,3296.29 3804.42,3296.29 3824.42,3276.29 3877.83,3276.29 3877.83,3380.79 4873.9,3380.79 4972.32,3380.79 4972.32,3183.94 4875.59,3183.94 4873.9,3182.24 4873.9,2357.17 3877.83,2357.17 3877.83,3144.17 ; 3224.64,2488.07 3332.68,2488.07 ; 3332.9,2488.29 3395.1,2488.29 3474.42,2488.29 3474.42,2652.29 3794.42,2652.29 3794.42,2916.29 3789.42,2921.29 3694.42,2921.29 3694.42,3056.29 3699.42,3061.29 3819.42,3061.29 3824.42,3066.29 3824.42,3145 3878.11,3145 3877.56,3144.45

## Text inside footprints (layer, text, board x,y; h text height)
J2: Top Overlay "-" at 4807.32,2902.32 h32; Top Overlay "+" at 4804.96,2783.82 h32